# Altium PCB smart-ring-main.PcbDoc (part 3 of 6)
Units mm, origin at the board's own origin, x right, y up, seen from the top; angles counter-clockwise.
Board outline 62.7 x 25.3 mm, 6 copper layers (S1 Copper top, S2 Flex copper top, S3 Flex copper inner 1, S4 Flex copper inner 2, S5 Flex copper bottom, S6 Copper bottom), stack 0.511 mm thick; 75 components, 47 nets, 265 pads, 262 vias.
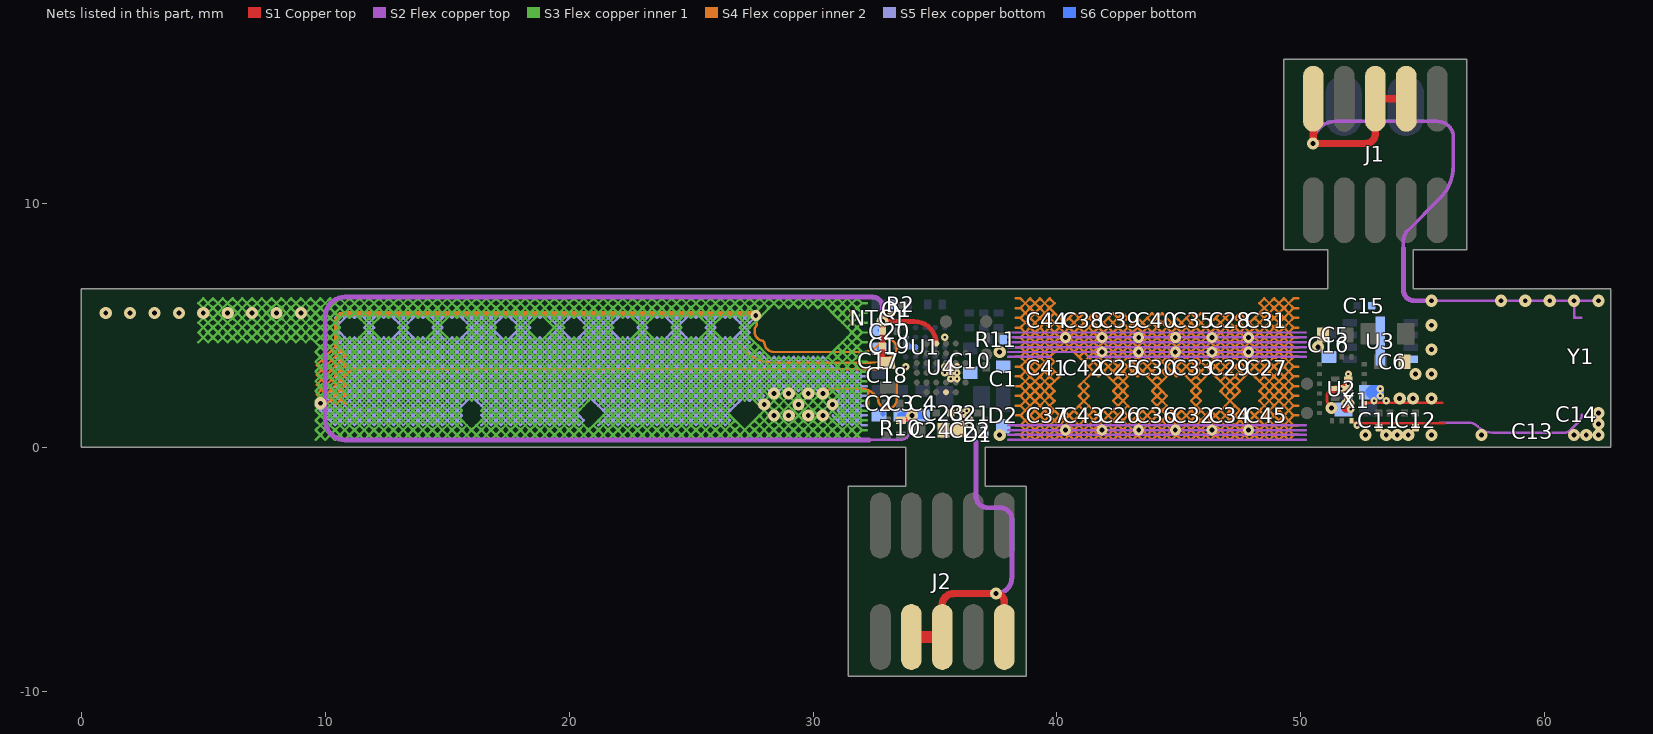
[diagram p7: the nets of this part, all layers, seen from the top]

## Via types
v1: diameter 0.45, hole 0.2, S2 Flex copper top to S5 Flex copper bottom, tented both sides, 61 vias
v2: diameter 0.5/0.5/0.5/0.5 (per signal layer), hole 0.2, S2 Flex copper top to S5 Flex copper bottom, 60 vias
v3: diameter 0.25/0.3 (per signal layer), hole 0.1, S1 Copper top to S2 Flex copper top, tented both sides, 40 vias
v4: diameter 0.4/0.5/0.5/0.5/0.5/0.4 (per signal layer), hole 0.2, S1 Copper top to S6 Copper bottom, tented both sides, 35 vias
v5: diameter 0.3/0.25 (per signal layer), hole 0.1, S5 Flex copper bottom to S6 Copper bottom, tented both sides, 34 vias
v6: diameter 0.5/0.5/0.5/0.5 (per signal layer), hole 0.2, S2 Flex copper top to S5 Flex copper bottom, tented both sides, 12 vias
v7: diameter 0.25, hole 0.1, S1 Copper top to S2 Flex copper top, tented both sides, 10 vias
v8: diameter 0.45/0.45/0.45/0.45 (per signal layer), hole 0.2, S2 Flex copper top to S5 Flex copper bottom, tented both sides, 4 vias
v9: diameter 0.4/0.45/0.45/0.45/0.45/0.4 (per signal layer), hole 0.2, S1 Copper top to S6 Copper bottom, tented both sides, 3 vias
v10: diameter 0.4, hole 0.2, S1 Copper top to S6 Copper bottom, tented both sides, 2 vias
v11: diameter 0.4/0.5/0.5/0.5/0.4/0.4 (per signal layer), hole 0.2, S1 Copper top to S6 Copper bottom, tented both sides, 1 vias

## Nets (pads, with @x,y where several pads share a name; then routed paths per layer and width w, separated by ;. In a path a pad name is that pad's centre, name@x,y a point inside that pad or via, vN(x,y) a via of type N, cw(c..) or ccw(c..) an arc to the next point about the centre after c; other vN are vias at no path point) (continued)
GND: (continued)
  S3 Flex copper inner 1 w0.1: 25.4,3.7 25.6,3.9 ; 25.4,3.7 25.6,3.5 ; 25.4,4.1 25.6,4.3 ; 25.4,4.1 25.6,3.9 ; 25.4,4.5 25.6,4.3 ; 25.4,4.5 25.6,4.7 ; 25.4,5.3 25.6,5.1 ; 25.4,5.3 25.6,5.5 ; 25.4,5.7 25.6,5.5 ; 25.4,5.7 25.6,5.9 ; 25.6,0.7 25.8,0.5 ; 25.6,0.7 25.8,0.9 ; 25.6,1.1 25.8,0.9 ; 25.6,1.1 25.8,1.3 ; 25.6,1.5 25.8,1.7 ; 25.6,1.5 25.8,1.3 ; 25.6,1.9 25.8,1.7 ; 25.6,1.9 25.8,2.1 ; 25.6,2.3 25.8,2.1 ; 25.6,2.3 25.8,2.5 ; 25.6,2.7 25.8,2.9 ; 25.6,2.7 25.8,2.5 ; 25.6,3.1 25.8,2.9 ; 25.6,3.1 25.8,3.3 ; 25.6,3.5 25.8,3.7 ; 25.6,3.5 25.8,3.3 ; 25.6,3.9 25.8,4.1 ; 25.6,3.9 25.8,3.7 ; 25.6,4.3 25.8,4.1 ; 25.6,4.3 25.8,4.5 ; 25.6,4.7 25.8,4.9 ; 25.6,4.7 25.8,4.5 ; 25.6,5.1 25.8,4.9 ; 25.6,5.1 25.8,5.3 ; 25.6,5.5 25.8,5.7 ; 25.6,5.5 25.8,5.3 ; 25.6,5.9 25.8,6.1 26,5.9 ; 25.6,5.9 25.8,5.7 ; 25.8,0.5 26,0.7 ; 25.8,0.5 26,0.3 26.2,0.5 ; 25.8,0.9 26,1.1 ; 25.8,0.9 26,0.7 ; 25.8,1.3 26,1.1 ; 25.8,1.3 26,1.5 ; 25.8,1.7 26,1.9 ; 25.8,1.7 26,1.5 ; 25.8,2.1 26,1.9 ; 25.8,2.1 26,2.3 ; 25.8,2.5 26,2.3 ; 25.8,2.5 26,2.7 ; 25.8,2.9 26,3.1 ; 25.8,2.9 26,2.7 ; 25.8,3.3 26,3.1 ; 25.8,3.3 26,3.5 ; 25.8,3.7 26,3.5 ; 25.8,3.7 26,3.9 ; 25.8,4.1 26,4.3 ; 25.8,4.1 26,3.9 ; 25.8,4.5 26,4.7 ; 25.8,4.5 26,4.3 ; 25.8,4.9 26,5.1 ; 25.8,4.9 26,4.7 ; 25.8,5.3 26,5.1 ; 25.8,5.3 26,5.5 ; 25.8,5.7 26,5.9 ; 25.8,5.7 26,5.5 ; 26,0.7 26.2,0.9 ; 26,0.7 26.2,0.5 ; 26,1.1 26.2,0.9 ; 26,1.1 26.2,1.3 ; 26,1.5 26.2,1.7 ; 26,1.5 26.2,1.3 ; 26,1.9 26.2,1.7 ; 26,1.9 26.2,2.1 ; 26,2.3 26.2,2.1 ; 26,2.3 26.2,2.5 ; 26,2.7 26.2,2.9 ; 26,2.7 26.2,2.5 ; 26,3.1 26.2,2.9 ; 26,3.1 26.2,3.3 ; 26,3.5 26.2,3.7 ; 26,3.5 26.2,3.3 ; 26,3.9 26.2,4.1 ; 26,3.9 26.2,3.7 ; 26,4.3 26.2,4.5 ; 26,4.3 26.2,4.1 ; 26,4.7 26.2,4.5 ; 26,5.1 26.2,5.3 ; 26,5.5 26.2,5.3 ; 26,5.5 26.2,5.7 ; 26,5.9 26.2,5.7 ; 26,5.9 26.2,6.1 26.4,5.9 ; 26.2,0.5 26.4,0.7 ; 26.2,0.5 26.4,0.3 26.6,0.5 ; 26.2,0.9 26.4,1.1 ; 26.2,0.9 26.4,0.7 ; 26.2,1.3 26.4,1.1 ; 26.2,1.3 26.4,1.5 ; 26.2,1.7 26.4,1.9 ; 26.2,1.7 26.4,1.5 ; 26.2,2.1 26.4,1.9 ; 26.2,2.1 26.4,2.3 ; 26.2,2.5 26.4,2.7 ; 26.2,2.5 26.4,2.3 ; 26.2,2.9 26.4,3.1 ; 26.2,2.9 26.4,2.7 ; 26.2,3.3 26.4,3.1 ; 26.2,3.3 26.4,3.5 ; 26.2,3.7 26.4,3.9 ; 26.2,3.7 26.4,3.5 ; 26.2,4.1 26.4,3.9 ; 26.2,4.1 26.4,4.3 ; 26.2,4.5 26.4,4.3 ; 26.2,5.3 26.4,5.5 ; 26.2,5.7 26.4,5.5 ; 26.2,5.7 26.4,5.9 ; 26.4,0.7 26.6,0.9 ; 26.4,0.7 26.6,0.5 ; 26.4,1.1 26.6,0.9 ; 26.4,1.1 26.6,1.3 ; 26.4,1.5 26.6,1.7 ; 26.4,1.5 26.6,1.3 ; 26.4,1.9 26.6,2.1 ; 26.4,1.9 26.6,1.7 ; 26.4,2.3 26.6,2.5 ; 26.4,2.3 26.6,2.1 ; 26.4,2.7 26.6,2.9 ; 26.4,2.7 26.6,2.5 ; 26.4,3.1 26.6,2.9 ; 26.4,3.1 26.6,3.3 ; 26.4,3.5 26.6,3.7 ; 26.4,3.5 26.6,3.3 ; 26.4,3.9 26.6,4.1 ; 26.4,3.9 26.6,3.7 ; 26.4,4.3 26.6,4.1 ; 26.4,4.3 26.6,4.5 26.8,4.3 ; 26.4,5.5 26.6,5.3 26.8,5.5 ; 26.4,5.5 26.6,5.7 ; 26.4,5.9 26.6,5.7 ; 26.4,5.9 26.6,6.1 26.8,5.9 ; 26.6,1.3 26.8,1.1 ; 26.6,1.7 26.8,1.9 ; 26.6,2.1 26.8,1.9 ; 26.6,2.1 26.8,2.3 ; 26.6,2.5 26.8,2.7 ; 26.6,2.5 26.8,2.3 ; 26.6,2.9 26.8,3.1 ; 26.6,2.9 26.8,2.7 ; 26.6,3.3 26.8,3.1 ; 26.6,3.3 26.8,3.5 ; 26.6,3.7 26.8,3.9 ; 26.6,3.7 26.8,3.5 ; 26.6,4.1 26.8,4.3 ; 26.6,4.1 26.8,3.9 ; 26.6,5.7 26.8,5.5 ; 26.6,5.7 26.8,5.9 ; 26.6,0.5 26.8,0.7 ; 26.6,0.5 26.8,0.3 27,0.5 ; 26.6,0.9 26.8,1.1 ; 26.6,0.9 26.8,0.7 ; 26.8,0.7 27,0.9 ; 26.8,0.7 27,0.5 ; 26.8,1.1 27,0.9 ; 26.8,1.9 27,2.1 ; 26.8,2.3 27,2.1 ; 26.8,2.3 27,2.5 ; 26.8,2.7 27,2.9 ; 26.8,2.7 27,2.5 ; 26.8,3.1 27,2.9 ; 26.8,3.1 27,3.3 ; 26.8,3.5 27,3.7 ; 26.8,3.5 27,3.3 ; 26.8,3.9 27,4.1 ; 26.8,3.9 27,3.7 ; 26.8,4.3 27,4.5 ; 26.8,4.3 27,4.1 ; 26.8,5.5 27,5.7 ; 26.8,5.5 27,5.3 ; 26.8,5.9 27,5.7 ; 26.8,5.9 27,6.1 27.2,5.9 ; 27,2.1 27.2,1.9 27.4,2.1 ; 27,2.1 27.2,2.3 ; 27,2.5 27.2,2.3 ; 27,2.5 27.2,2.7 ; 27,2.9 27.2,3.1 ; 27,2.9 27.2,2.7 ; 27,3.3 27.2,3.1 ; 27,3.3 27.2,3.5 ; 27,3.7 27.2,3.9 ; 27,3.7 27.2,3.5 ; 27,4.1 27.2,4.3 ; 27,4.1 27.2,3.9 ; 27,4.5 27.2,4.7 ; 27,4.5 27.2,4.3 ; 27,5.3 27.2,5.1 ; 27,5.3 27.2,5.5 ; 27,5.7 27.2,5.5 ; 27,5.7 27.2,5.9 ; 27,0.5 27.2,0.7 ; 27,0.5 27.2,0.3 27.4,0.5 ; 27,0.9 27.2,0.7 ; 27.2,0.7 27.4,0.9 ; 27.2,0.7 27.4,0.5 ; 27.2,2.3 27.4,2.1 ; 27.2,2.3 27.4,2.5 ; 27.2,2.7 27.4,2.9 ; 27.2,2.7 27.4,2.5 ; 27.2,3.1 27.4,2.9 ; 27.2,3.1 27.4,3.3 ; 27.2,3.5 27.4,3.7 ; 27.2,3.5 27.4,3.3 ; 27.2,3.9 27.4,4.1 ; 27.2,3.9 27.4,3.7 ; 27.2,4.3 27.4,4.5 ; 27.2,4.3 27.4,4.1 ; 27.2,4.7 27,4.9 27.2,5.1 ; 27.2,4.7 27.4,4.5 ; 27.2,4.7 27.4,4.9 ; 27.2,5.1 27.4,5.3 ; 27.2,5.1 27.4,4.9 ; 27.2,5.5 27.4,5.3 ; 27.2,5.5 27.4,5.7 ; 27.2,5.9 27.4,5.7 ; 27.2,5.9 27.4,6.1 27.6,5.9 ; 27.4,2.1 27.6,1.9 ; 27.4,2.1 27.6,2.3 ; 27.4,2.5 27.6,2.7 ; 27.4,2.5 27.6,2.3 ; 27.4,2.9 27.6,3.1 ; 27.4,2.9 27.6,2.7 ; 27.4,3.3 27.6,3.1 ; 27.4,3.3 27.6,3.5 ; 27.4,3.7 27.6,3.9 ; 27.4,3.7 27.6,3.5 ; 27.4,4.1 27.6,4.3 ; 27.4,4.1 27.6,3.9 ; 27.4,4.5 27.6,4.3 ; 27.4,4.9 v1@27.8,5.3 ; 27.4,5.3 v1@27.6,5.5 ; 27.4,5.7 v1@27.6,5.5 ; 27.4,5.7 27.6,5.9 ; 27.4,0.5 27.6,0.7 ; 27.4,0.5 27.6,0.3 27.8,0.5 ; 27.4,0.9 27.6,1.1 ; 27.4,0.9 27.6,0.7 ; 27.6,0.7 27.8,0.5 ; 27.6,0.7 27.8,0.9 ; 27.6,1.1 27.8,0.9 ; 27.6,1.1 27.8,1.3 ; 27.6,1.9 27.8,2.1 ; 27.6,1.9 v2@27.8,1.7 ; 27.6,2.3 27.8,2.1 ; 27.6,2.3 27.8,2.5 ; 27.6,2.7 27.8,2.9 ; 27.6,2.7 27.8,2.5 ; 27.6,3.1 27.8,3.3 ; 27.6,3.1 27.8,2.9 ; 27.6,3.5 27.8,3.7 ; 27.6,3.5 27.8,3.3 ; 27.6,3.9 27.8,3.7 ; 27.6,3.9 27.8,4.1 ; 27.6,4.3 27.8,4.1 ; v1@27.6,5.5 v1@27.8,5.3 ; v1@27.6,5.5 27.8,5.7 ; 27.6,5.9 27.8,5.7 ; 27.6,5.9 27.8,6.1 28,5.9 ; 27.8,0.5 28,0.7 ; 27.8,0.5 28,0.3 28.2,0.5 ; 27.8,0.9 28,1.1 ; 27.8,0.9 28,0.7 ; 27.8,1.3 28,1.1 ; 27.8,1.3 28,1.5 ; v2@27.8,1.7 v2@28,1.9 ; v2@27.8,1.7 28,1.5 ; 27.8,2.1 28,2.3 ; 27.8,2.1 v2@28,1.9 ; 27.8,2.5 28,2.3 ; 27.8,2.5 28,2.7 ; 27.8,2.9 28,2.7 ; 27.8,2.9 28,3.1 ; 27.8,3.3 28,3.1 ; 27.8,3.3 28,3.5 ; 27.8,3.7 28,3.5 ; 27.8,3.7 28,3.9 ; 27.8,4.1 28,3.9 ; v1@27.8,5.3 28,5.5 28.2,5.7 ; 27.8,5.7 28,5.9 ; 28,0.7 28.2,0.9 ; 28,0.7 28.2,0.5 ; 28,1.1 28.2,0.9 ; 28,1.1 v2@28.2,1.3 ; 28,1.5 v2@28.2,1.7 ; 28,1.5 v2@28.2,1.3 ; v2@28,1.9 v2@28.2,1.7 ; v2@28,1.9 v2@28.2,2.1 ; 28,2.3 28.2,2.5 ; 28,2.3 v2@28.2,2.1 ; 28,2.7 28.2,2.9 ; 28,2.7 28.2,2.5 ; 28,3.1 28.2,3.3 ; 28,3.1 28.2,2.9 ; 28,3.5 28.2,3.7 ; 28,3.5 28.2,3.3 ; 28,3.9 28.2,3.7 ; 28,5.9 28.2,6.1 28.4,5.9 ; 28,5.9 28.2,5.7 ; 28.2,0.5 28.4,0.7 ; 28.2,0.5 28.4,0.3 28.6,0.5 ; 28.2,0.9 v2@28.4,1.1 ; 28.2,0.9 28.4,0.7 ; v2@28.2,1.3 v2@28.4,1.5 ; v2@28.2,1.3 28.3,1.2 v2@28.4,1.1 ; v2@28.2,1.7 28.4,1.9 ; v2@28.2,1.7 v2@28.4,1.5 ; v2@28.2,2.1 v2@28.4,2.3 ; v2@28.2,2.1 28.4,1.9 ; 28.2,2.5 v2@28.4,2.3 ; 28.2,2.5 28.4,2.7 ; 28.2,2.9 28.4,2.7 ; 28.2,2.9 28.4,3.1 ; 28.2,3.3 28.4,3.1 ; 28.2,3.3 28.4,3.5 ; 28.2,3.7 28.4,3.5 ; 28.2,5.7 28.4,5.9 ; 28.4,0.7 28.6,0.9 ; 28.4,0.7 28.6,0.5 ; v2@28.4,1.1 v2@28.6,1.3 ; v2@28.4,1.1 28.6,0.9 ; v2@28.4,1.5 28.5,1.4 v2@28.6,1.3 ; v2@28.4,1.5 28.6,1.7 ; 28.4,1.9 v2@28.6,2.1 ; 28.4,1.9 28.6,1.7 ; v2@28.4,2.3 v2@28.6,2.1 ; v2@28.4,2.3 28.6,2.5 ; 28.4,2.7 28.6,2.5 ; 28.4,2.7 28.6,2.9 ; 28.4,3.1 28.6,2.9 ; 28.4,3.1 28.6,3.3 ; 28.4,3.5 28.6,3.3 ; 28.4,3.5 28.6,3.7 28.8,3.5 ; 28.4,5.9 28.6,6.1 28.8,5.9 ; 28.4,5.9 28.6,5.7 28.8,5.9 ; 28.6,0.5 28.8,0.3 29,0.5 ; 28.6,0.5 28.8,0.7 ; 28.6,0.9 28.8,1.1 ; 28.6,0.9 28.8,0.7 ; v2@28.6,1.3 28.8,1.5 ; v2@28.6,1.3 28.8,1.1 ; 28.6,1.7 28.8,1.9 ; 28.6,1.7 28.8,1.5 ; v2@28.6,2.1 28.8,1.9 ; v2@28.6,2.1 v2@28.8,2.3 ; 28.6,2.5 v2@28.8,2.3 ; 28.6,2.5 28.8,2.7 ; 28.6,2.9 28.8,2.7 ; 28.6,2.9 28.8,3.1 ; 28.6,3.3 28.8,3.1 ; 28.6,3.3 28.8,3.5 ; 28.8,0.7 29,0.5 ; 28.8,0.7 29,0.9 ; 28.8,1.1 29,0.9 ; 28.8,1.1 v2(29,1.3) ; 28.8,1.5 29,1.7 ; 28.8,1.5 v2(29,1.3) ; 28.8,1.9 29,1.7 ; 28.8,1.9 v2@29,2.1 ; v2@28.8,2.3 29,2.5 ; v2@28.8,2.3 v2@29,2.1 ; 28.8,2.7 29,2.5 ; 28.8,2.7 29,2.9 ; 28.8,3.1 29,2.9 ; 28.8,3.1 29,3.3 ; 28.8,3.5 29,3.3 ; 28.8,3.5 29,3.7 29.2,3.5 ; 28.8,5.9 29,6.1 29.2,5.9 ; 28.8,5.9 29,5.7 29.2,5.9 ; 29,0.5 29.2,0.7 ; 29,0.5 29.2,0.3 29.4,0.5 ; 29,0.9 29.2,1.1 ; 29,0.9 29.2,0.7 ; v2(29,1.3) 29.2,1.1 ; v2(29,1.3) 29.2,1.5 ; 29,1.7 29.2,1.9 ; 29,1.7 29.2,1.5 ; v2@29,2.1 v2@29.2,2.3 ; v2@29,2.1 29.2,1.9 ; 29,2.5 v2@29.2,2.3 ; 29,2.5 29.2,2.7 ; 29,2.9 29.2,2.7 ; 29,2.9 29.2,3.1 ; 29,3.3 29.2,3.1 ; 29,3.3 29.2,3.5 ; 29.2,0.7 29.4,0.9 ; 29.2,0.7 29.4,0.5 ; 29.2,1.1 29.4,0.9 ; 29.2,1.1 29.4,1.3 ; 29.2,1.5 29.4,1.3 ; 29.2,1.5 v2@29.4,1.7 ; 29.2,1.9 29.4,2.1 ; 29.2,1.9 29.375,1.725 v2@29.4,1.7 ; v2@29.2,2.3 29.4,2.5 ; v2@29.2,2.3 29.4,2.1 ; 29.2,2.7 29.4,2.5 ; 29.2,2.7 29.4,2.9 ; 29.2,3.1 29.4,2.9 ; 29.2,3.1 29.4,3.3 ; 29.2,3.5 29.4,3.3 ; 29.2,3.5 29.4,3.7 29.6,3.5 ; 29.2,5.9 29.4,5.7 29.6,5.9 ; 29.2,5.9 29.4,6.1 29.6,5.9 ; 29.4,0.5 29.6,0.7 ; 29.4,0.5 29.6,0.3 29.8,0.5 ; 29.4,0.9 29.6,1.1 ; 29.4,0.9 29.6,0.7 ; 29.4,1.3 29.6,1.5 ; 29.4,1.3 29.6,1.1 ; v2@29.4,1.7 29.6,1.9 ; v2@29.4,1.7 29.6,1.5 ; 29.4,2.1 29.575,1.925 29.6,1.9 ; 29.4,2.1 v2@29.6,2.3 ; 29.4,2.5 v2@29.6,2.3 ; 29.4,2.5 29.6,2.7 ; 29.4,2.9 29.6,2.7 ; 29.4,2.9 29.6,3.1 ; 29.4,3.3 29.6,3.1 ; 29.4,3.3 29.6,3.5 ; 29.6,0.7 29.8,0.9 ; 29.6,0.7 29.8,0.5 ; 29.6,1.1 29.8,0.9 ; 29.6,1.1 v2(29.8,1.3) ; 29.6,1.5 29.8,1.7 ; 29.6,1.5 v2(29.8,1.3) ; 29.6,1.9 v2@29.8,2.1 ; 29.6,1.9 29.8,1.7 ; v2@29.6,2.3 29.8,2.5 ; v2@29.6,2.3 29.75,2.15 v2@29.8,2.1 ; 29.6,2.7 29.8,2.5 ; 29.6,2.7 29.8,2.9 ; 29.6,3.1 29.8,2.9 ; 29.6,3.1 29.8,3.3 ; 29.6,3.5 29.8,3.3 ; 29.6,3.5 29.8,3.7 30,3.5 ; 29.6,5.9 29.8,6.1 30,5.9 ; 29.6,5.9 29.8,5.7 30,5.9 ; 29.8,0.5 30,0.7 ; 29.8,0.5 30,0.3 30.2,0.5 ; 29.8,0.9 30,1.1 ; 29.8,0.9 30,0.7 ; v2(29.8,1.3) 30,1.1 ; v2(29.8,1.3) 30,1.5 ; 29.8,1.7 30,1.9 ; 29.8,1.7 30,1.5 ; v2@29.8,2.1 v2@30,2.3 ; v2@29.8,2.1 30,1.9 ; 29.8,2.5 29.95,2.35 v2@30,2.3 ; 29.8,2.5 30,2.7 ; 29.8,2.9 30,2.7 ; 29.8,2.9 30,3.1 ; 29.8,3.3 30,3.1 ; 29.8,3.3 30,3.5 ; 30,0.7 30.2,0.9 ; 30,0.7 30.2,0.5 ; 30,1.1 v2@30.2,1.3 ; 30,1.1 30.2,0.9 ; 30,1.5 v2@30.2,1.3 ; 30,1.5 30.2,1.7 ; 30,1.9 v2@30.2,2.1 ; 30,1.9 30.2,1.7 ; v2@30,2.3 30.2,2.5 ; v2@30,2.3 v2@30.2,2.1 ; 30,2.7 30.2,2.5 ; 30,2.7 30.2,2.9 ; 30,3.1 30.2,2.9 ; 30,3.1 30.2,3.3 ; 30,3.5 30.2,3.3 ; 30,3.5 30.2,3.7 30.4,3.5 ; 30,5.9 30.2,5.7 30.4,5.9 ; 30,5.9 30.2,6.1 30.4,5.9 ; 30.2,0.5 30.4,0.7 ; 30.2,0.5 30.4,0.3 30.6,0.5 ; 30.2,0.9 30.4,0.7 ; 30.2,0.9 v2@30.4,1.1 ; v2@30.2,1.3 v2@30.4,1.5 ; v2@30.2,1.3 30.3,1.2 v2@30.4,1.1 ; 30.2,1.7 30.4,1.9 ; 30.2,1.7 v2@30.4,1.5 ; v2@30.2,2.1 v2@30.4,2.3 ; v2@30.2,2.1 30.25,2.05 30.4,1.9 ; 30.2,2.5 v2@30.4,2.3 ; 30.2,2.5 30.4,2.7 ; 30.2,2.9 30.4,2.7 ; 30.2,2.9 30.4,3.1 ; 30.2,3.3 30.4,3.1 ; 30.2,3.3 30.4,3.5 ; 30.4,0.7 30.6,0.9 ; 30.4,0.7 30.6,0.5 ; v2@30.4,1.1 v2@30.6,1.3 ; v2@30.4,1.1 30.6,0.9 ; v2@30.4,1.5 30.5,1.4 v2@30.6,1.3 ; v2@30.4,1.5 v2@30.6,1.7 ; 30.4,1.9 v2@30.6,2.1 ; 30.4,1.9 v2@30.6,1.7 ; v2@30.4,2.3 30.6,2.5 ; v2@30.4,2.3 30.45,2.25 v2@30.6,2.1 ; 30.4,2.7 30.6,2.5 ; 30.4,2.7 30.6,2.9 ; 30.4,3.1 30.6,2.9 ; 30.4,3.1 30.6,3.3 ; 30.4,3.5 30.6,3.3 ; 30.4,3.5 30.6,3.7 ; 30.4,5.9 30.6,5.7 ; 30.4,5.9 30.6,6.1 30.8,5.9 ; 30.6,0.5 30.8,0.7 ; 30.6,0.5 30.8,0.3 31,0.5 ; 30.6,0.9 30.8,0.7 ; 30.6,0.9 30.8,1.1 ; v2@30.6,1.3 30.8,1.5 ; v2@30.6,1.3 30.8,1.1 ; v2@30.6,1.7 v2@30.8,1.9 ; v2@30.6,1.7 30.675,1.625 30.8,1.5 ; v2@30.6,2.1 30.8,2.3 ; v2@30.6,2.1 v2@30.8,1.9 ; 30.6,2.5 30.8,2.3 ; 30.6,2.5 30.8,2.7 ; 30.6,2.9 30.8,2.7 ; 30.6,2.9 30.8,3.1 ; 30.6,3.3 30.8,3.1 ; 30.6,3.3 30.8,3.5 ; 30.6,3.7 30.8,3.9 ; 30.6,3.7 30.8,3.5 ; 30.6,5.7 30.8,5.5 ; 30.6,5.7 30.8,5.9 ; 30.8,0.7 31,0.9 ; 30.8,0.7 31,0.5 ; 30.8,1.1 31,1.3 ; 30.8,1.1 31,0.9 ; 30.8,1.5 v2@31,1.7 ; 30.8,1.5 31,1.3 ; v2@30.8,1.9 30.875,1.825 v2@31,1.7 ; v2@30.8,1.9 31,2.1 ; 30.8,2.3 31,2.5 ; 30.8,2.3 31,2.1 ; 30.8,2.7 31,2.5 ; 30.8,2.7 31,2.9 ; 30.8,3.1 31,2.9 ; 30.8,3.1 31,3.3 ; 30.8,3.5 31,3.3 ; 30.8,3.5 31,3.7 ; 30.8,3.9 31,3.7 ; 30.8,3.9 31,4.1 ; 30.8,5.5 31,5.7 ; 30.8,5.5 31,5.3 ; 30.8,5.9 31,5.7 ; 30.8,5.9 31,6.1 31.2,5.9 ; 31,0.5 31.2,0.7 ; 31,0.5 31.2,0.3 31.4,0.5 ; 31,0.9 31.2,1.1 ; 31,0.9 31.2,0.7 ; 31,1.3 31.2,1.1 ; 31,1.3 31.2,1.5 ; v2@31,1.7 31.2,1.9 ; v2@31,1.7 31.2,1.5 ; 31,2.1 31.2,1.9 ; 31,2.1 31.2,2.3 ; 31,2.5 31.2,2.7 ; 31,2.9 31.2,3.1 ; 31,3.3 31.2,3.5 ; 31,3.7 31.2,3.5 ; 31,3.7 31.2,3.9 ; 31,4.1 31.2,3.9 ; 31,4.1 31.2,4.3 ; 31,5.3 31.2,5.1 ; 31,5.3 31.2,5.5 ; 31,5.7 31.2,5.5 ; 31,5.7 31.2,5.9 ; 31.2,0.7 31.4,0.9 ; 31.2,0.7 31.4,0.5 ; 31.2,1.1 31.4,0.9 ; 31.2,1.1 31.4,1.3 ; 31.2,1.5 31.4,1.7 ; 31.2,1.5 31.4,1.3 ; 31.2,1.9 31.4,2.1 ; 31.2,1.9 31.4,1.7 ; 31.2,2.3 31.4,2.1 ; 31.2,2.3 31.4,2.5 ; 31.2,2.7 31.4,2.5 ; 31.2,2.7 31.4,2.9 ; 31.2,3.1 31.4,2.9 ; 31.2,3.1 31.4,3.3 ; 31.2,3.5 31.4,3.3 ; 31.2,3.5 31.4,3.7 ; 31.2,3.9 31.4,4.1 ; 31.2,3.9 31.4,3.7 ; 31.2,4.3 31.4,4.5 ; 31.2,4.3 31.4,4.1 ; 31.2,5.1 31.4,4.9 ; 31.2,5.1 31.4,5.3 ; 31.2,5.5 31.4,5.3 ; 31.2,5.5 31.4,5.7 ; 31.2,5.9 31.4,5.7 ; 31.2,5.9 31.4,6.1 31.6,5.9 ; 31.4,0.5 31.6,0.7 ; 31.4,0.5 31.6,0.3 31.8,0.5 ; 31.4,0.9 31.6,1.1 ; 31.4,0.9 31.6,0.7 ; 31.4,1.3 31.6,1.1 ; 31.4,1.3 31.6,1.5 ; 31.4,1.7 31.6,1.9 ; 31.4,1.7 31.6,1.5 ; 31.4,2.1 31.6,1.9 ; 31.4,2.1 31.6,2.3 ; 31.4,2.5 31.6,2.7 ; 31.4,2.9 31.6,3.1 ; 31.4,3.3 31.6,3.5 ; 31.4,3.7 31.6,3.9 ; 31.4,4.1 31.6,3.9 ; 31.4,4.1 31.6,4.3 ; 31.4,4.5 31.6,4.3 ; 31.4,4.5 31.6,4.7 ; 31.4,4.9 31.6,5.1 ; 31.4,4.9 31.6,4.7 ; 31.4,5.3 31.6,5.5 ; 31.4,5.3 31.6,5.1 ; 31.4,5.7 31.6,5.5 ; 31.4,5.7 31.6,5.9 ; 31.6,0.7 31.8,0.9 ; 31.6,0.7 31.8,0.5 ; 31.6,1.1 31.8,0.9 ; 31.6,1.1 31.8,1.3 ; 31.6,1.5 31.8,1.7 ; 31.6,1.5 31.8,1.3 ; 31.6,1.9 31.8,1.7 ; 31.6,1.9 31.8,2.1 ; 31.6,2.3 31.8,2.1 ; 31.6,2.3 31.8,2.5 ; 31.6,2.7 31.8,2.5 ; 31.6,2.7 31.8,2.9 ; 31.6,3.1 31.8,3.3 ; 31.6,3.1 31.8,2.9 ; 31.6,3.5 31.8,3.7 ; 31.6,3.5 31.8,3.3 ; 31.6,3.9 31.8,4.1 ; 31.6,3.9 31.8,3.7 ; 31.6,4.3 31.746,4.446 ; 31.6,4.3 31.8,4.1 ; 31.6,4.7 31.8,4.9 ; 31.6,4.7 31.8,4.5 ; 31.6,5.1 31.8,4.9 ; 31.6,5.1 31.8,5.3 ; 31.6,5.5 31.8,5.7 ; 31.6,5.5 31.8,5.3 ; 31.6,5.9 31.8,5.7 ; 31.6,5.9 31.8,6.1 32,5.9 ; 31.747,4.446 31.8,4.5 ; 31.746,4.446 31.8,4.5 ; 31.8,0.5 32,0.7 ; 31.8,0.9 32,1.1 ; 31.8,0.9 32,0.7 ; 31.8,1.3 32,1.1 ; 31.8,1.3 32,1.5 ; 31.8,1.7 32,1.9 ; 31.8,1.7 32,1.5 ; 31.8,2.1 32,1.9 ; 31.8,2.1 32,2.3 ; 31.8,2.5 32,2.3 ; 31.8,2.5 32,2.7 ; 31.8,2.9 32,2.7 ; 31.8,2.9 32,3.1 ; 31.8,3.3 32,3.1 ; 31.8,3.3 32,3.5 ; 31.8,3.7 32,3.9 ; 31.8,3.7 32,3.5 ; 31.8,4.1 32,3.9 ; 31.8,4.5 32,4.7 ; 31.8,4.9 32,4.7 ; 31.8,4.9 32,5.1 ; 31.8,5.3 32,5.1 ; 31.8,5.3 32,5.5 ; 31.8,5.7 32,5.5 ; 31.8,5.7 32,5.9